# Altium PCB PCB_Sensor1.PcbDoc
Units mil, origin at the board's own origin, x right, y up, seen from the top; angles counter-clockwise.
Board outline 2362.85 x 2212.6 mil, 2 copper layers (Top Layer, Bottom Layer); 58 components, 39 nets, 232 pads, 88 vias.
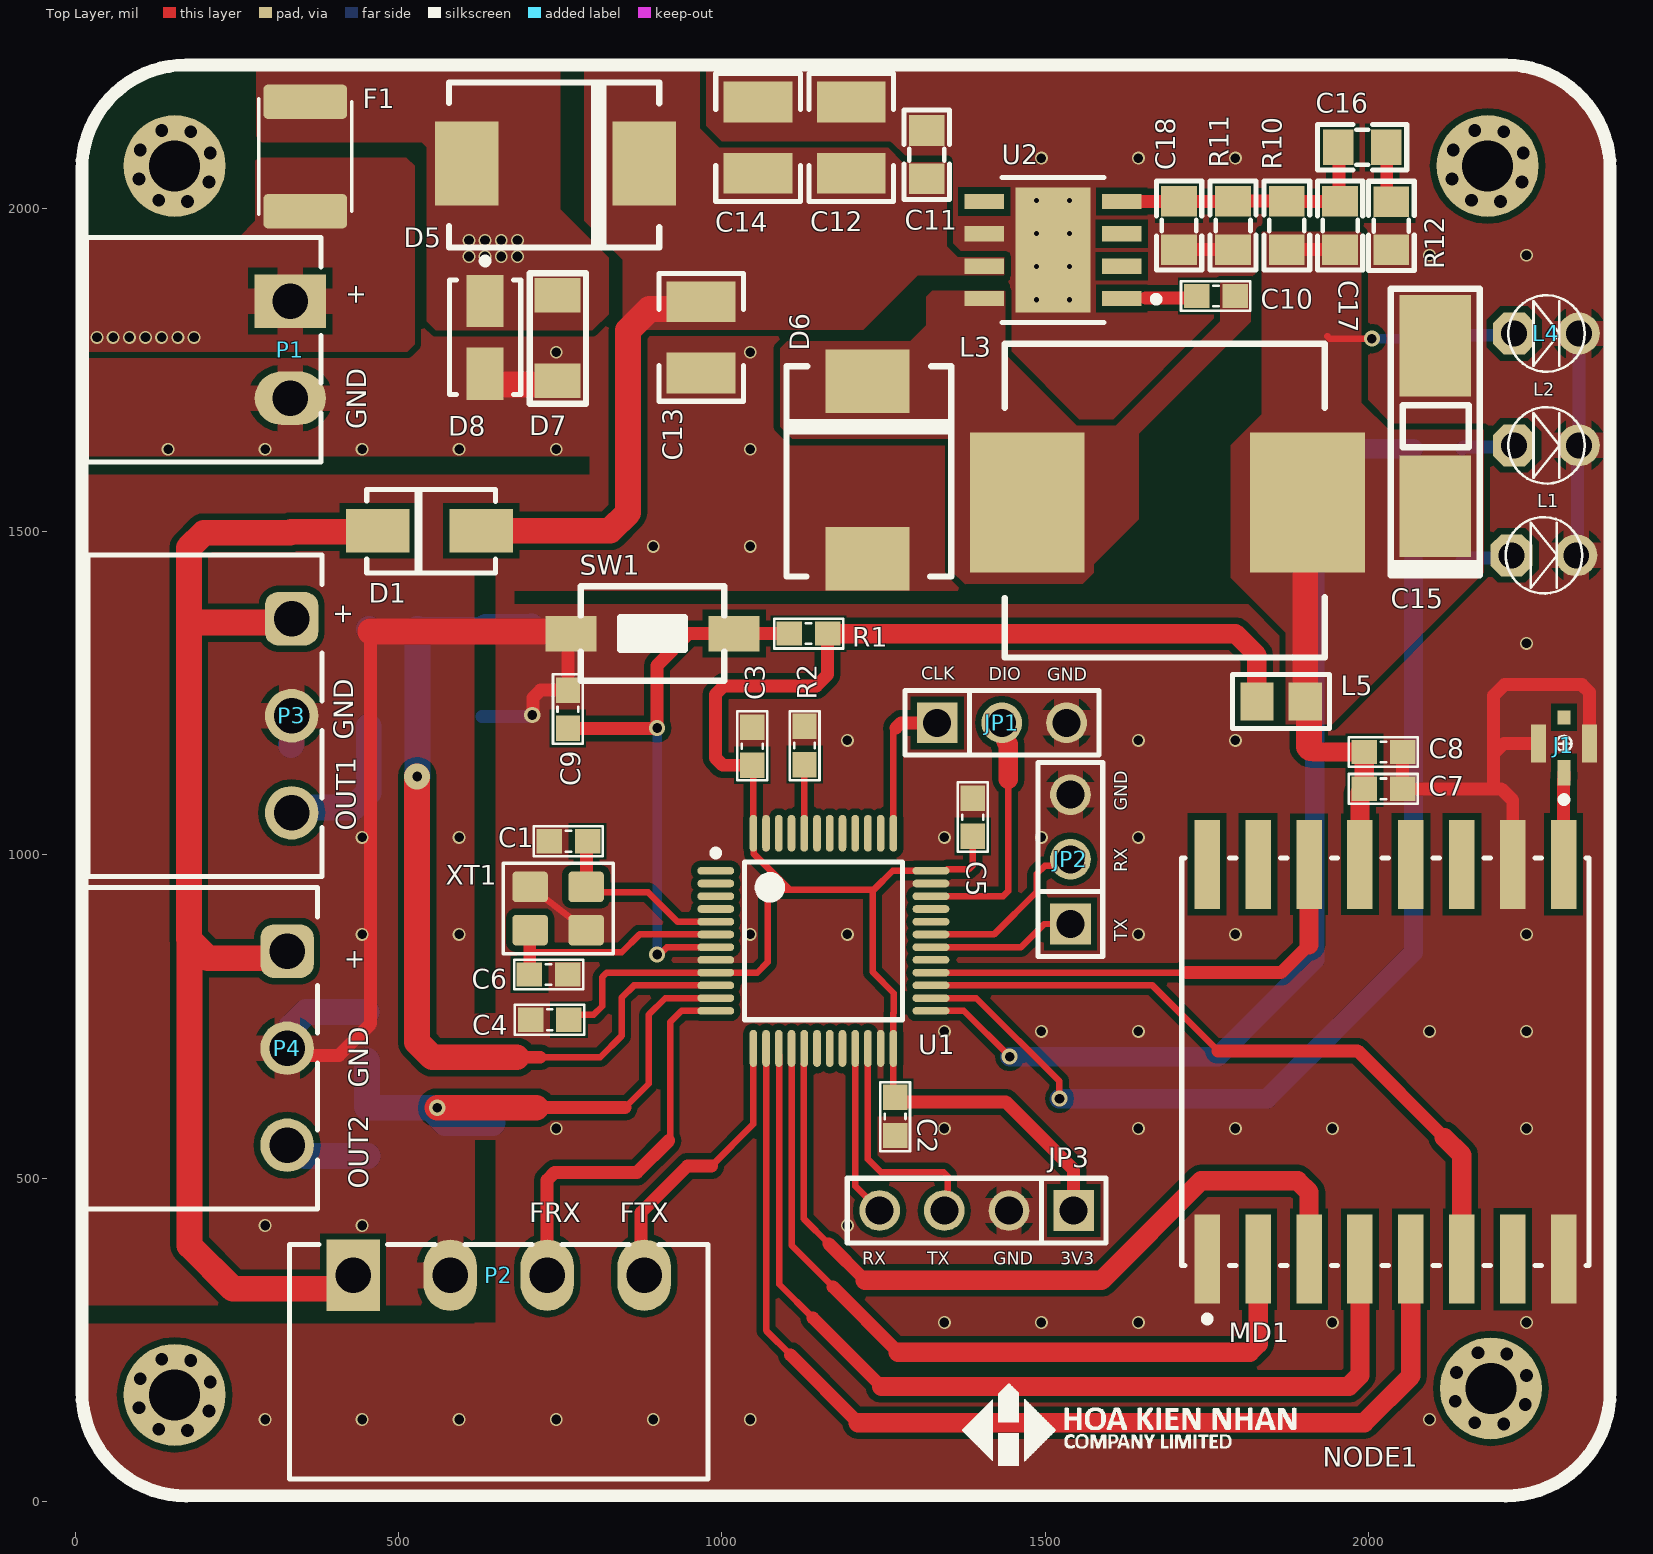
[diagram p0: Top Layer view]
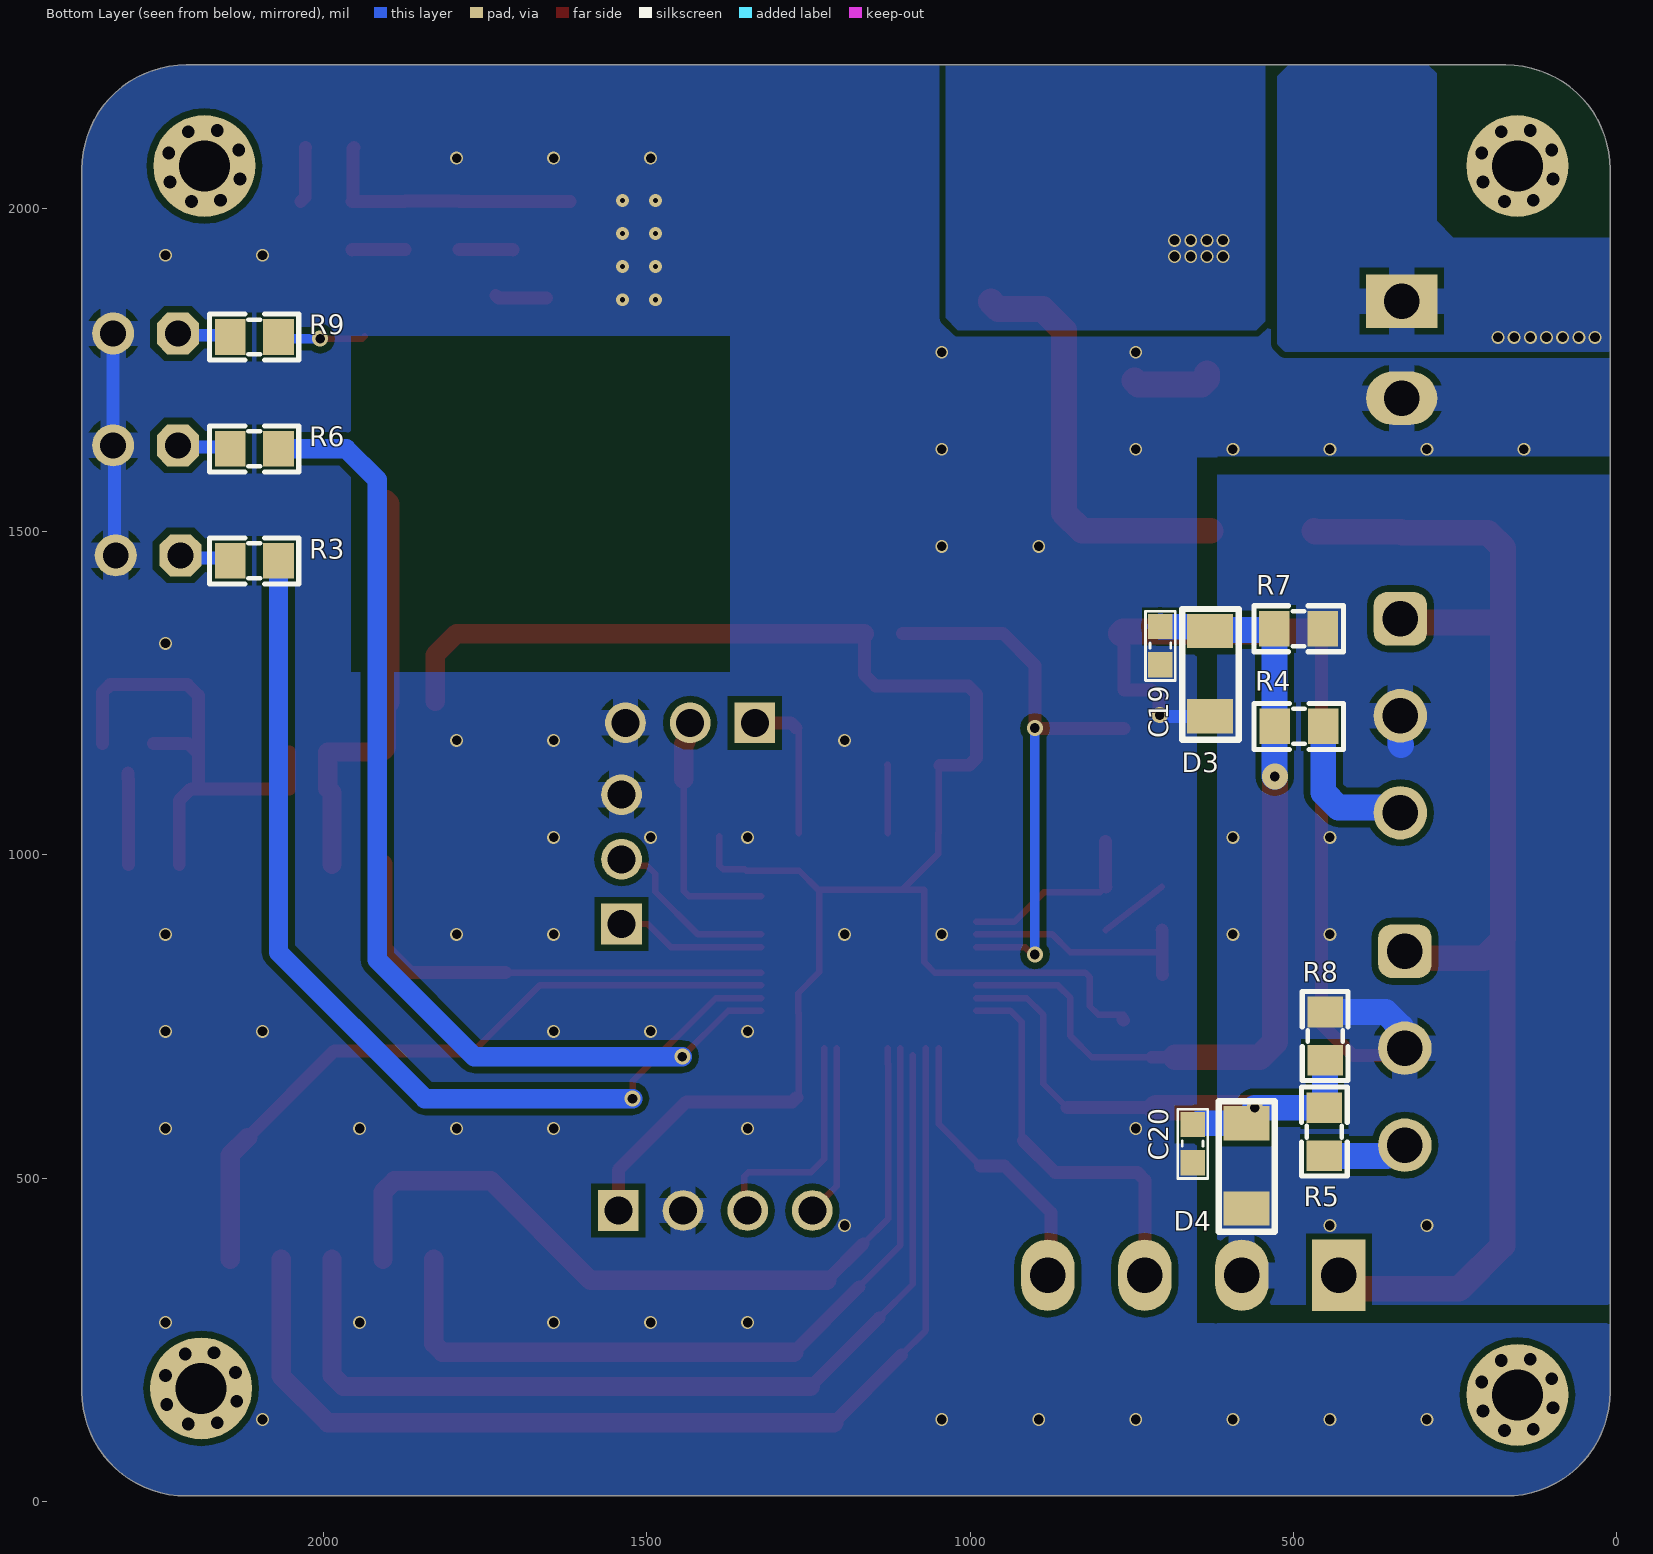
[diagram p1: Bottom Layer view, seen from below]
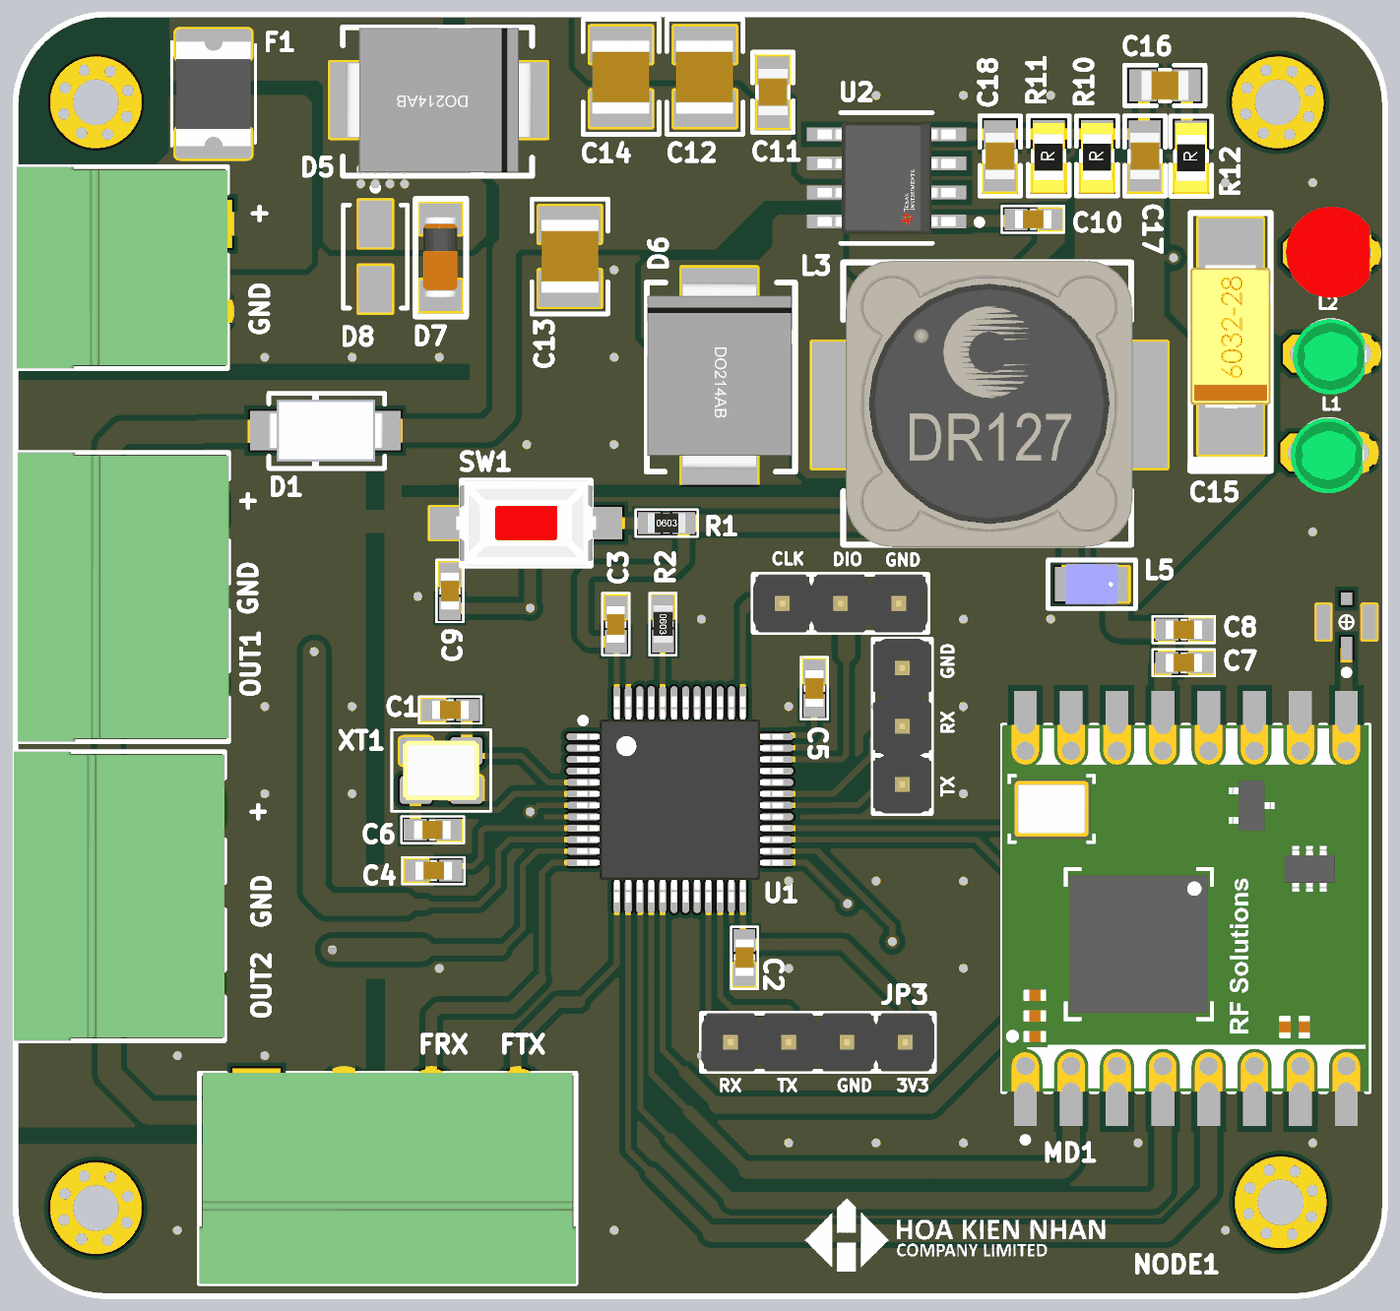
[diagram p2: 3D render of the assembled board from above, using the file's embedded part models]
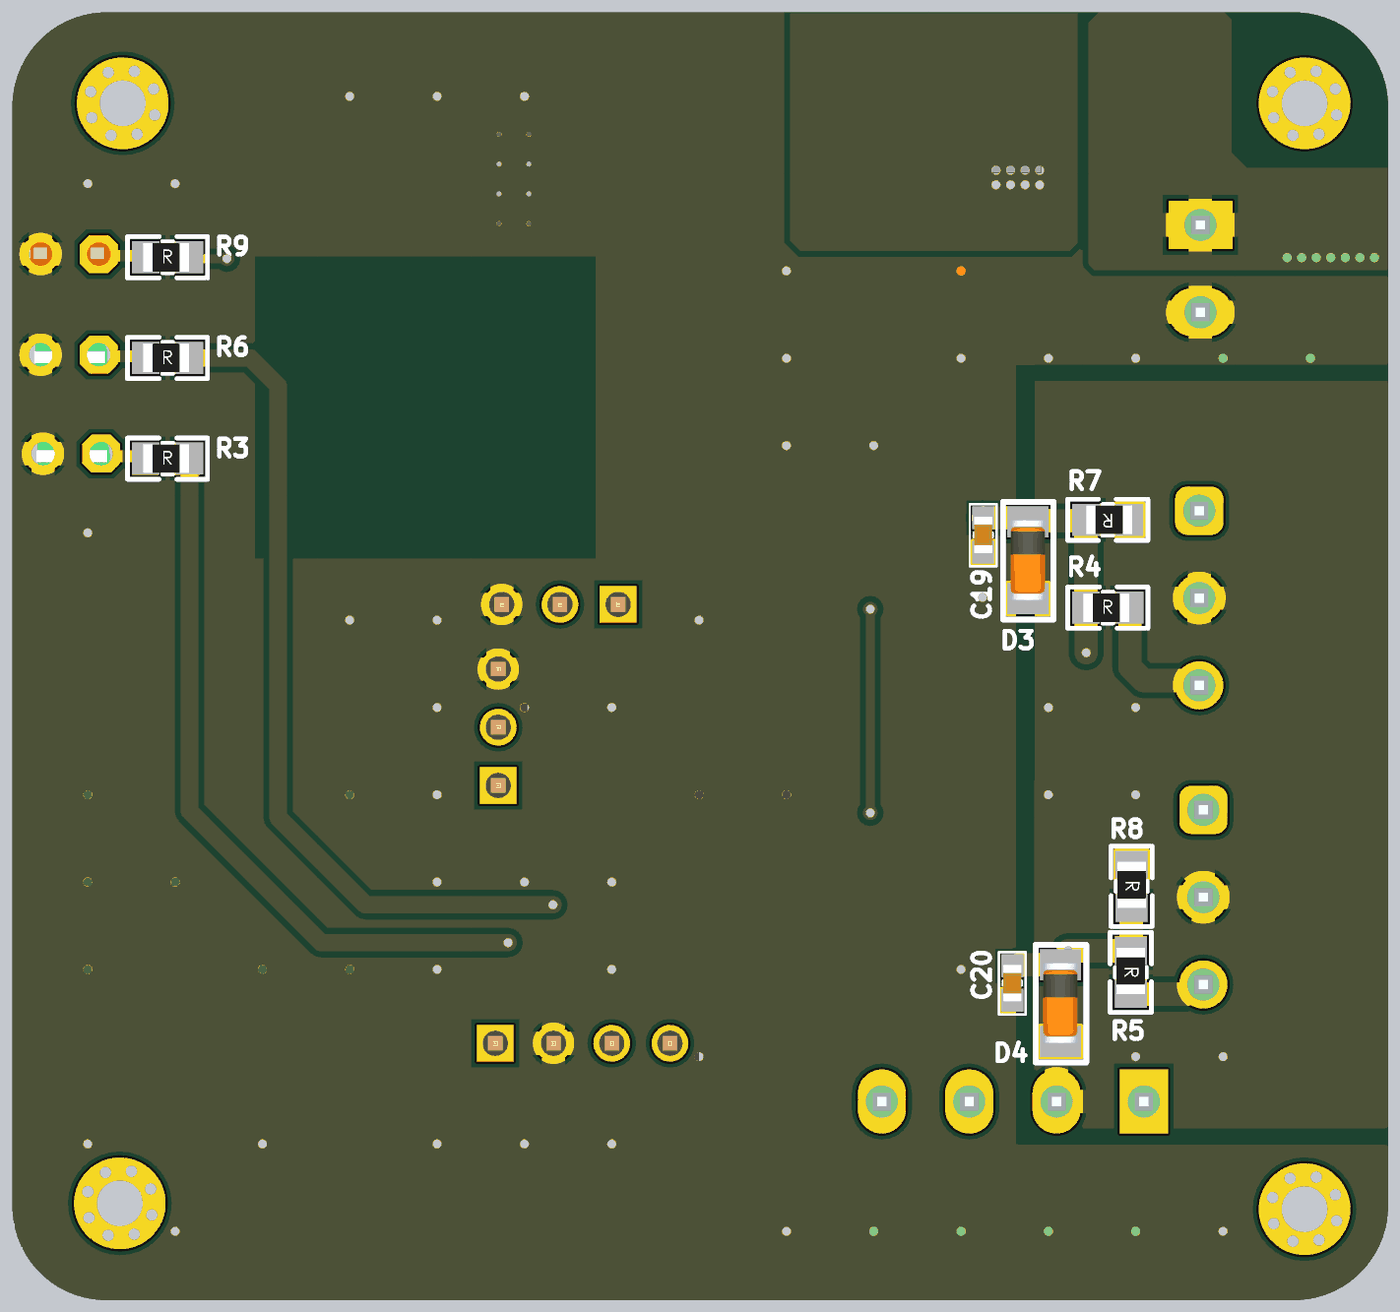
[diagram p3: 3D render of the assembled board from below, using the file's embedded part models]

## Layer stack, top to bottom
Top Solder: solder mask 0.4, Solder Resist, Dk 3.5
Top Layer: signal copper 1.4
Dielectric 1: dielectric 12.6, FR-4, Dk 4.8
Bottom Layer: signal copper 1.4
Bottom Solder: solder mask 0.4, Solder Resist, Dk 3.5

## Board outline
10.57,170.12 10.57,2059.88 cw(c171.99,2059.88) 171.99,2221.3 2212.01,2221.3 cw(c2212.01,2059.88) 2373.43,2059.88 2373.43,170.12 cw(c2212.01,170.12) 2212.01,8.7 2219,9 171.99,8.7 cw(c171.99,170.12)

## Design rules (kind name [scope] priority, off if disabled: settings)
Clearance Clearance_2 [InNamedPolygon('NONET_L01_P008')] p1: gap=25 ignorepadtopadclearanceinfootprint=FALSE
Clearance Clearance_1 [InNamedPolygon('NONET_L01_P007')] p2: gap=25 ignorepadtopadclearanceinfootprint=FALSE
Clearance [All] p3: gap=10 ignorepadtopadclearanceinfootprint=FALSE except(0: Arc-Hole Track-Hole SMDPad-Hole THPad-Hole Via-Hole Fill-Hole Poly-Hole Region-Hole Text-Hole; 5: Arc-Arc Arc-Track Arc-SMDPad Arc-THPad Track-Track Track-SMDPad Track-THPad SMDPad-SMDPad SMDPad-THPad THPad-THPad)
HoleToHoleClearance [All] p1: gap=5 allowstackedmicrovias=TRUE
MinimumSolderMaskSliver [IsText] p1: minsoldermaskwidth=5
PlaneConnect [All] p1: planeconnectstyle=Direct reliefexpansion=20 reliefentries=4 reliefconductorwidth=10 reliefairgap=10
PolygonConnect [All] p1: thpad.connectstyle=Relief thpad.reliefconductorwidth=40 thpad.reliefentries=4 thpad.polygonreliefangle="90 Angle" thpad.airgapwidth=10 smdpad.connectstyle=Direct smdpad.reliefconductorwidth=10 smdpad.reliefentries=4 smdpad.polygonreliefangle="90 Angle" smdpad.airgapwidth=10 via.connectstyle=Direct via.reliefconductorwidth=10 via.reliefentries=4 via.polygonreliefangle="90 Angle" via.airgapwidth=10
RoutingVias [All] p1: holewidth=15 width=25 viastyle="Through Hole" minholewidth=15 minwidth=25 maxholewidth=15 maxwidth=40
SilkToSilkClearance [All] p1: silktosilkclearance=5
SilkToSolderMaskClearance [IsText] p1: minsilkscreentomaskgap=5 clearancetoexposedcopper=TRUE
SolderMaskExpansion SolderMaskExpansion_Via [IsVia] p1: expansion=4 istentingtop=TRUE
SolderMaskExpansion [All] p2: expansion=4 istentingtop=FALSE
Width [All] p1: maxlimit=40 minlimit=10 preferedwidth=20
25 further rules are at their usual default settings.

## Classes and differential pairs
component class [2]_Power: C10 C11 C12 C13 C14 C15 C16 C17 C18 D5 D6 D7 D8 F1 L3 L4 L5 P1 R9 R10 R11 R12 U2
component class [1]_STLU01: C1 C2 C3 C4 C5 C6 C7 C8 C9 C19 C20 D1 D3 D4 J1 JP1 JP2 JP3 L1 L2 MD1 P2 P3 P4 R1 R2 R3 R4 R5 R6 R7 R8 SW1 U1 XT1

## Components (designator, comment, footprint, x,y, rotation, side; value= is the part's Value field where it differs from the comment)
C1 "22pF" "tu 0603" 763,1021 r180 top
C2 "100nF" "tu 0603" 1268,595.53 r270 top
C3 "100nF" "tu 0603" 1047,1168 r90 top
C4 "100nF" "tu 0603" 734,745 r180 top
C5 "100nF" "tu 0603" 1388,1058 r90 top
C6 "22pF" "tu 0603" 732,815 r0 top
C7 "10uF" "tu 0603" 2023,1102 r180 top
C8 "100nF" "tu 0603" 2023,1159 r180 top
C9 "100nF" "tu 0603" 762,1225 r90 top
C10 "0.01uF" "tu 0603" 1764,1864 r180 top
C11 "100nF" "tu 0805" 1316.87,2082.23 r90 top
C12 "10uF/50V" 1210 1104,2204.88 r270 top
C13 "10uF/50V" 1210 1064,1704.12 r90 top
C14 "10uF/50V" 1210 960,2204.88 r270 top
C15 "100uF/10V" 2312 2109,1533.98 r90 top
C16 "100nF" "tu 0805" 1990,2094 r0 top
C17 "1.5nF" "tu 0805" 1956,1972.9 r270 top
C18 "150pF" "tu 0805" 1707,1972.9 r270 top
C19 "33nF" "tu 0603" 706,1323.47 r270 bottom
C20 "33nF" "tu 0603" 656,553.53 r270 bottom
D1 "1N5819" DO-214AA 700.98,1582 r180 top
D3 "ZMM3V6" SOD_80 574,1185.05 r90 bottom
D4 "ZMM3V6" SOD_80 518,424.05 r90 bottom
D5 "MBRS340T3" DO214AB_SMC 574.28,1934 r0 top
D6 "MBRS340T3" DO214AB_SMC 1360,1426.28 r90 top
D7 "RLZ30B" SOD_80 801,1704.05 r90 top
D8 "SMAJ28A-E3/61" VISH-DO-214AC-2_L 634,1800 r270 top
F1 "MF-MSMF150/24X-2" 1812 440,1955.65 r90 top
J1 "ANTEN GPS" TG-RECE-20369-001E-4_V 2302,1172 r0 top
JP1 "JP 1x3 2.54" "JP 1x3 DT" 1333,1204 r0 top
JP2 "JP 1x3 2.54" "JP 1x3 DT" 1539,893 r90 top
JP3 "JP 1x4 2.54" "JP 1x4 DT" 1544,450 r180 top
L1 "LED 3mm" LED-3MM-GREEN 2221,1463 r0 top
L2 "LED 3mm" LED-3MM-GREEN 2225,1633 r0 top
L3 "68uH/3.2A" IND-12_12_8 1689,1545 r0 top
L4 "LED 3mm" LED-3MM-RED 2225,1806 r0 top
L5 "80Ohm/2.7A" "FER-0805 (2012)" 1944.6,1285 r180 top
MD1 "RFM95W-868S2" FP-RFM95W-868S2-MFG 2026,680 r90 top
P1 "KF-3.81-2-R" 691322310002 199,1781 r270 top
P2 "691322310004" 691322310004 655,216.14 r0 top
P3 "691322310003" 691322310003 201,1215 r270 top
P4 "691322310003" 691322310003 194,701 r270 top
R1 "10k" "tro smd 0603" 1134,1342 r0 top
R2 "10k" "tro smd 0603" 1128,1169 r270 top
R3 "1K" "tro smd 0805" 2107,1457 r180 bottom
R4 "16.9k" "tro smd 0805" 492,1201 r180 bottom
R5 "16.9k" "tro smd 0805" 450,572 r270 bottom
R6 "1K" "tro smd 0805" 2107,1630 r180 bottom
R7 "33k" "tro smd 0805" 492,1347 r0 bottom
R8 "33k" "tro smd 0805" 448.61,719.77 r270 bottom
R9 "1k" "tro smd 0805" 2107,1803 r180 bottom
R10 "5.6k" "tro smd 0805" 1871,1973 r90 top
R11 "5.6k" "tro smd 0805" 1788,1973 r90 top
R12 "560" "tro smd 0805" 2032.61,1972.43 r90 top
SW1 "Tactile" "SW 2P SMD" 723.02,1244 r0 top
U1 "STM32F103xx_LQFP48" STM32_LQPF48 1157,867 r0 top
U2 "TPS5430DDA" FP-DDA0008J-MFG 1512,1935 r180 top
XT1 "8Mhz" "Thach Anh 4 chan 1" 747,917 r0 top value=4Mhz
